# Altium PCB FMC_ADC_130M_16B_4CH.PcbDoc (part 1 of 8) (continued)
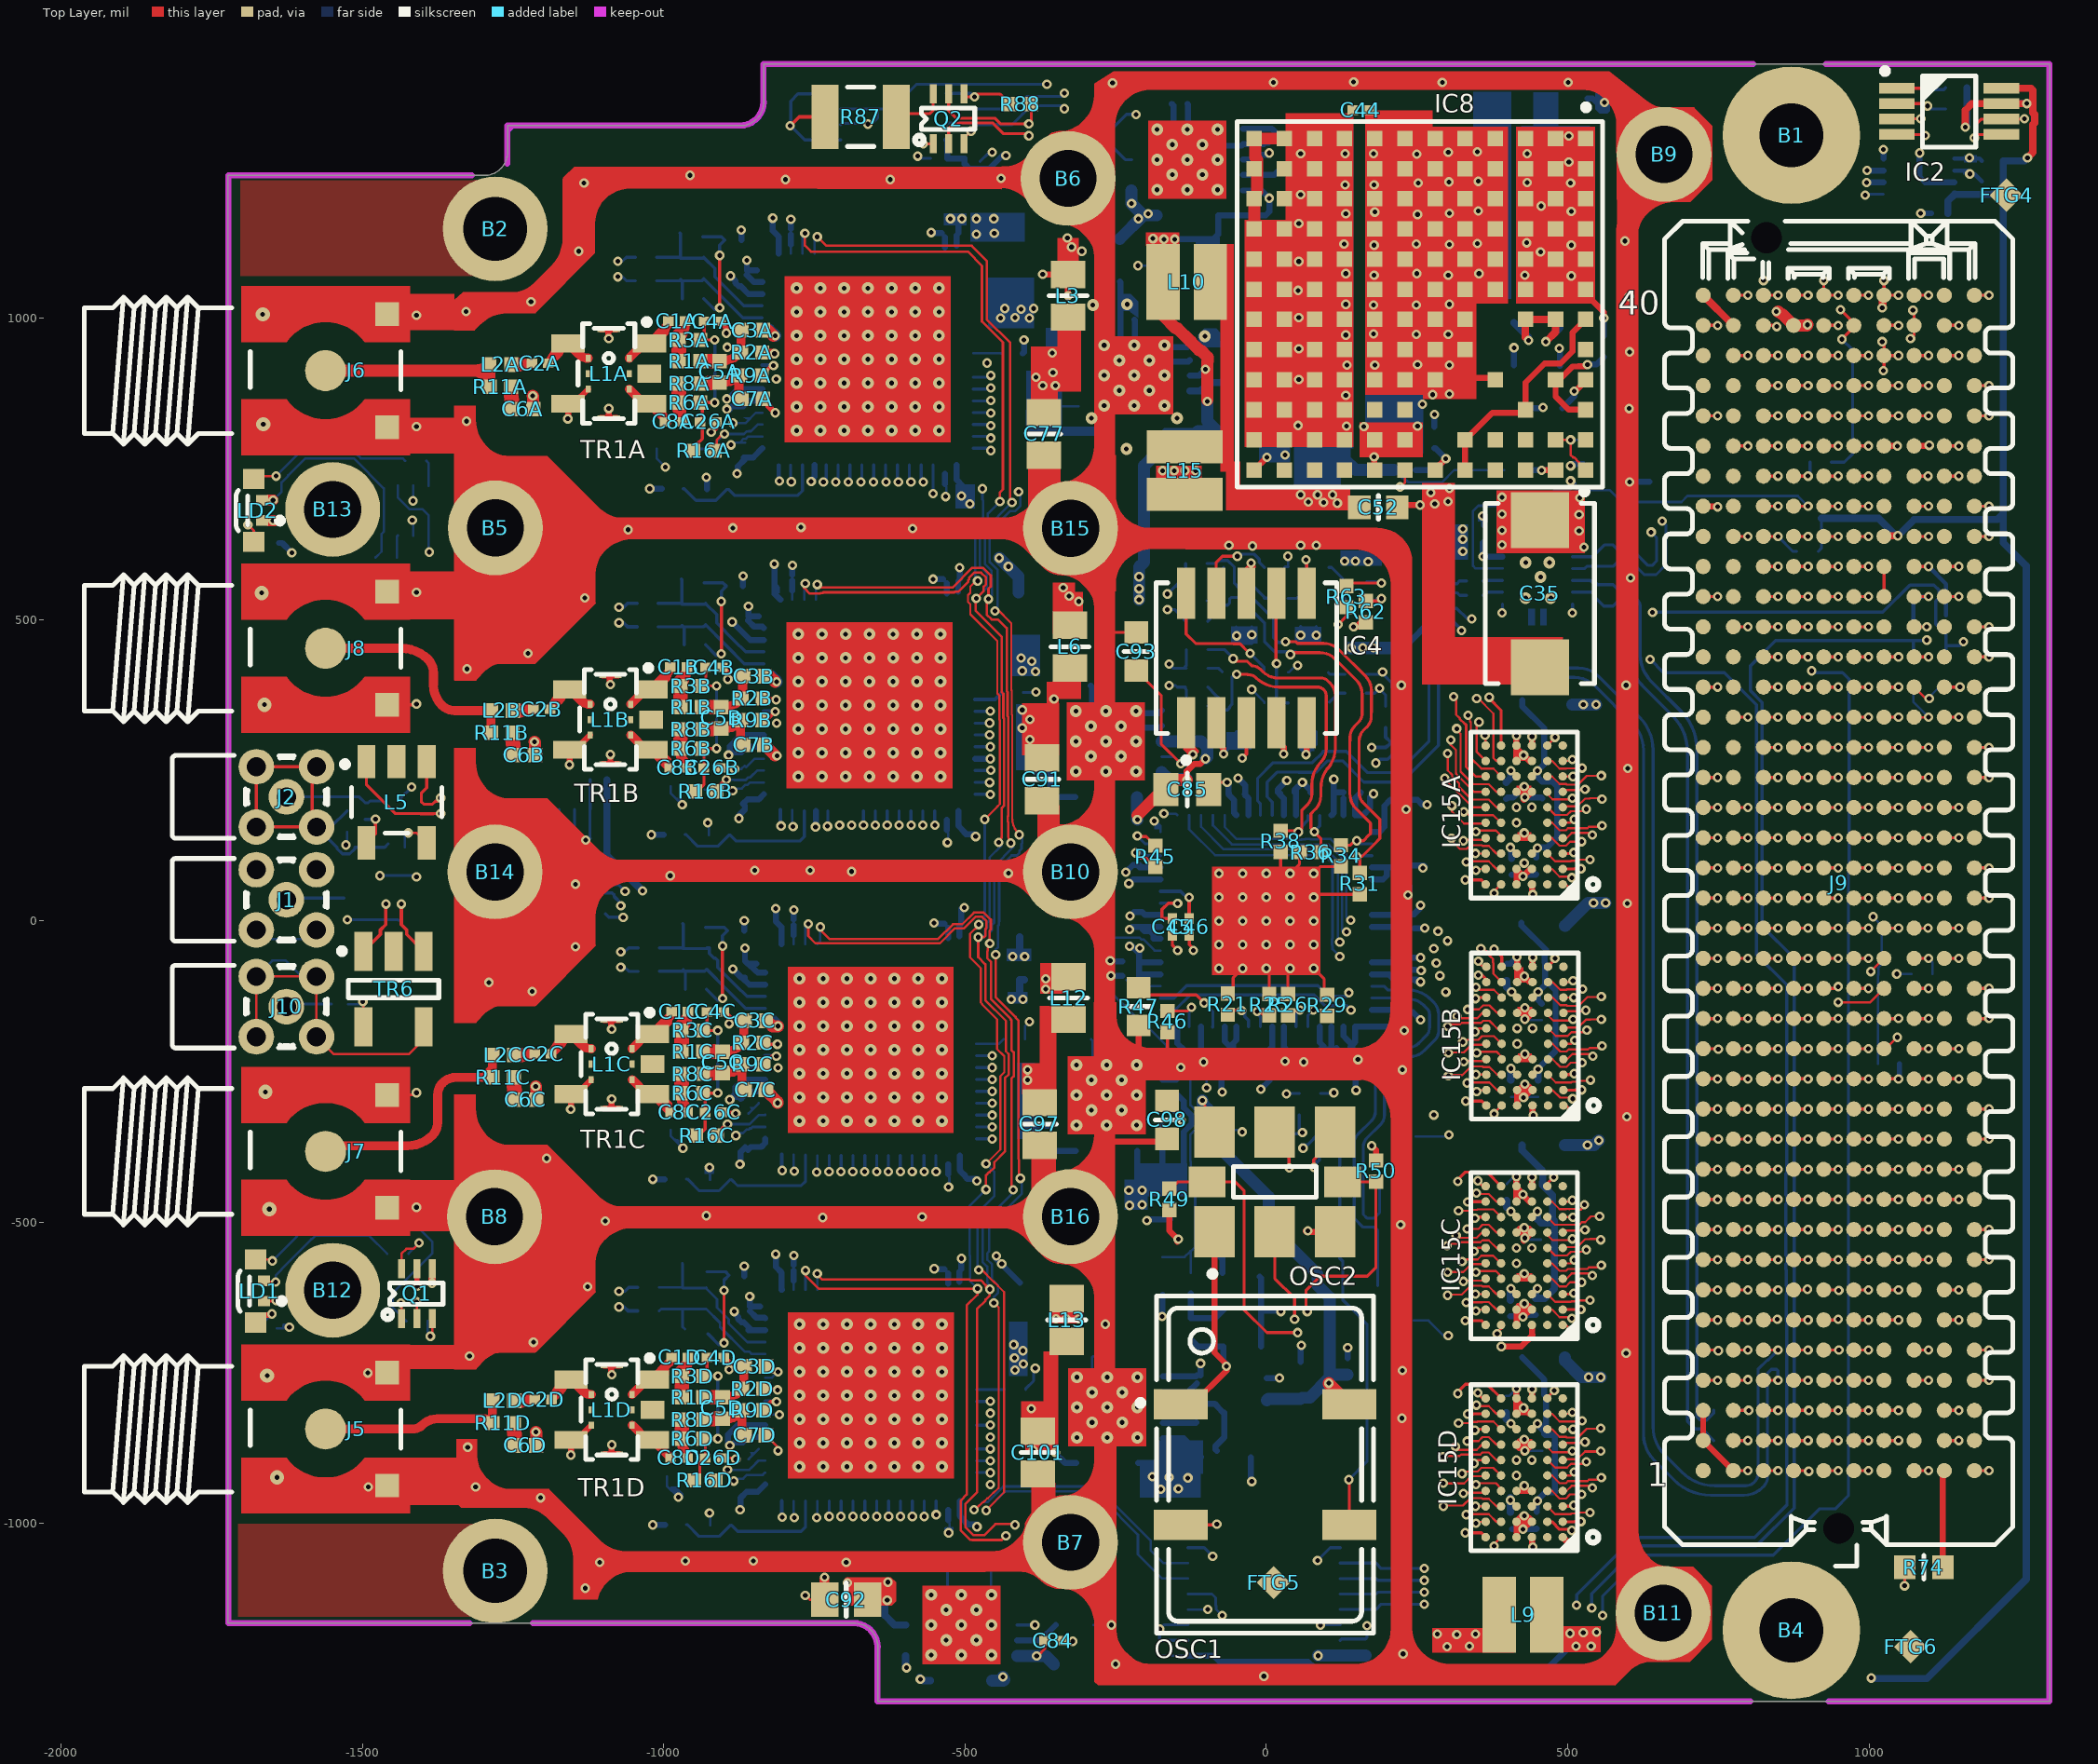
[diagram p0: Top Layer view]
## Components (designator, comment, footprint, x,y, rotation, side; value= is the part's Value field where it differs from the comment)
B1 "Plated Hole" MTG300_600#1 871.18,1303.53 r0 top
B2 "Plated Hole" MTG300_600#2 -1279.41,1148.19 r0 top
B3 "Plated Hole" MTG300_600#3 -1279.41,-1078.19 r0 top
B4 "Plated Hole" MTG300_600#1 871.18,-1176.79 r0 top
B5 "Plated Hole" MTG240_400#1 -1279.31,652.13 r0 top
B6 "Plated Hole" MTG240_400#1 -328.62,1231.85 r0 top locked
B7 "Plated Hole" MTG240_400#1 -324.68,-1030.94 r0 top
B8 "Plated Hole" MTG240_400#2 -1280.39,-486.65 r0 top
B9 "Plated Hole" MTG240_400#2 660.24,1275.67 r0 top
B10 "Plated Hole" MTG240_400#2 -324.68,85.2 r0 top
B11 "Plated Hole" MTG240_400#1 658.24,-1148.33 r0 top
B12 "Plated Hole" MTG240_400#3 -1549.09,-616.57 r0 top
B13 "Plated Hole" MTG240_400#2 -1549.09,686.57 r0 top
B14 "Plated Hole" MTG240_400#2 -1279.58,85.2 r0 top locked
B15 "Plated Hole" MTG240_400#1 -324.68,651.46 r0 top
B16 "Plated Hole" MTG240_400#1 -324.68,-490.54 r0 top
C1A "100nF" CAPC0603X33N -978,995 r0 top (schematic designator C1)
C1B "100nF" CAPC0603X33N -975.28,421 r0 top (schematic designator C1)
C1C "100nF" CAPC0603X33N -973.2,-150.57 r0 top (schematic designator C1)
C1D "100nF" CAPC0603X33N -973.09,-724 r0 top (schematic designator C1)
C2A "100nF" CAPC0603X33N -1205,925 r0 top (schematic designator C2)
C2B "100nF" CAPC0603X33N -1202.28,351 r0 top (schematic designator C2)
C2C "100nF" CAPC0603X33N -1200.2,-220.57 r0 top (schematic designator C2)
C2D "100nF" CAPC0603X33N -1200.09,-794 r0 top (schematic designator C2)
C3A "2.2pF" CAPC1005X55N -853,980 r0 top (schematic designator C3)
C3B "2.2pF" CAPC1005X55N -850.28,406 r0 top (schematic designator C3)
C3C "2.2pF" CAPC1005X55N -848.2,-165.57 r0 top (schematic designator C3)
C3D "2.2pF" CAPC1005X55N -848.09,-739 r0 top (schematic designator C3)
C4A "100nF" CAPC0603X33N -919,994.73 r0 top (schematic designator C4)
C4B "100nF" CAPC0603X33N -916.28,420.73 r0 top (schematic designator C4)
C4C "100nF" CAPC0603X33N -914.2,-150.84 r0 top (schematic designator C4)
C4D "100nF" CAPC0603X33N -914.09,-724.27 r0 top (schematic designator C4)
C5A "1.5pF" CAPC1005X55N -907,911 r90 top (schematic designator C5)
C5B "1.5pF" CAPC1005X55N -904.28,337 r90 top (schematic designator C5)
C5C "1.5pF" CAPC1005X55N -902.2,-234.57 r90 top (schematic designator C5)
C5D "1.5pF" CAPC1005X55N -902.09,-808 r90 top (schematic designator C5)
C6A "2.2pF" CAPC1005X55N -1234,849 r180 top (schematic designator C6)
C6B "2.2pF" CAPC1005X55N -1231.28,275 r180 top (schematic designator C6)
C6C "2.2pF" CAPC1005X55N -1229.2,-296.57 r180 top (schematic designator C6)
C6D "2.2pF" CAPC1005X55N -1229.09,-870 r180 top (schematic designator C6)
C7A "2.2pF" CAPC1005X55N -853,866 r0 top (schematic designator C7)
C7B "2.2pF" CAPC1005X55N -850.28,292 r0 top (schematic designator C7)
C7C "2.2pF" CAPC1005X55N -848,-280 r0 top (schematic designator C7)
C7D "2.2pF" CAPC1005X55N -848.09,-853 r0 top (schematic designator C7)
C8A "100nF" CAPC0603X33N -984,828 r0 top (schematic designator C8)
C8B "100nF" CAPC0603X33N -976.28,254 r0 top (schematic designator C8)
C8C "100nF" CAPC0603X33N -974.2,-317.57 r0 top (schematic designator C8)
C8D "100nF" CAPC0603X33N -974.09,-891 r0 top (schematic designator C8)
C9A "100pF" CAPC1005X55N -1029.19,1062 r0 bottom (schematic designator C9)
C9B "100pF" CAPC1005X55N -1026.47,488 r0 bottom (schematic designator C9)
C9C "100pF" CAPC1005X55N -1024.39,-83.57 r0 bottom (schematic designator C9)
C9D "100pF" CAPC1005X55N -1025.28,-647 r0 bottom (schematic designator C9)
C10 "100nF" CAPC0603X33N 135,-739 r90 bottom
C11A "100pF" CAPC1005X55N -1029.19,1101 r0 bottom (schematic designator C11)
C11B "100pF" CAPC1005X55N -1026.47,527 r0 bottom (schematic designator C11)
C11C "100pF" CAPC1005X55N -1024.39,-44.57 r0 bottom (schematic designator C11)
C11D "100pF" CAPC1005X55N -1025.28,-608 r0 bottom (schematic designator C11)
C12A "2.2uF" CAPC1608X87N -980,783 r0 bottom (schematic designator C12)
C12B "2.2uF" CAPC1608X87N -957,223 r0 bottom (schematic designator C12)
C12C "2.2uF" CAPC1608X87N -957,-347 r0 bottom (schematic designator C12)
C12D "2.2uF" CAPC1608X87N -963,-922 r0 bottom (schematic designator C12)
C13A "1.5pF" CAPC1005X55N -972.19,1082 r270 bottom (schematic designator C13)
C13B "1.5pF" CAPC1005X55N -969.47,508 r270 bottom (schematic designator C13)
C13C "1.5pF" CAPC1005X55N -967.39,-63.57 r270 bottom (schematic designator C13)
C13D "1.5pF" CAPC1005X55N -968.28,-627 r270 bottom (schematic designator C13)
C14A "100nF" CAPC0603X33N -865,780 r270 bottom (schematic designator C14)
C14B "100nF" CAPC0603X33N -865,205 r270 bottom (schematic designator C14)
C14C "100nF" CAPC0603X33N -860,-366 r270 bottom (schematic designator C14)
C14D "100nF" CAPC0603X33N -861,-939 r270 bottom (schematic designator C14)
C15A "100nF" CAPC0603X33N -803,1142 r180 bottom (schematic designator C15)
C15B "100nF" CAPC0603X33N -805,565 r180 bottom (schematic designator C15)
C15C "100nF" CAPC0603X33N -798,1 r180 bottom (schematic designator C15)
C15D "100nF" CAPC0603X33N -798,-575 r180 bottom (schematic designator C15)
C16A "100nF" CAPC0603X33N -863.95,1057 r90 bottom (schematic designator C16)
C16B "100nF" CAPC0603X33N -860,485 r90 bottom (schematic designator C16)
C16C "100nF" CAPC0603X33N -865,-80 r90 bottom (schematic designator C16)
C16D "100nF" CAPC0603X33N -857,-661 r90 bottom (schematic designator C16)
C17A "100nF" CAPC0603X33N -876.87,896.17 r270 bottom (schematic designator C17)
C17B "100nF" CAPC0603X33N -874.16,322.17 r270 bottom (schematic designator C17)
C17C "100nF" CAPC0603X33N -872.08,-249.41 r270 bottom (schematic designator C17)
C17D "100nF" CAPC0603X33N -871.97,-822.83 r270 bottom (schematic designator C17)
C18A "100nF" CAPC0603X33N -868,840 r90 bottom (schematic designator C18)
C18B "100nF" CAPC0603X33N -863,269 r90 bottom (schematic designator C18)
C18C "100nF" CAPC0603X33N -862,-304 r90 bottom (schematic designator C18)
C18D "100nF" CAPC0603X33N -861,-876 r90 bottom (schematic designator C18)
C19A "100nF" CAPC0603X33N -520,724 r0 bottom (schematic designator C19)
C19B "100nF" CAPC0603X33N -514,149 r0 bottom (schematic designator C19)
C19C "100nF" CAPC0603X33N -514,-422 r0 bottom (schematic designator C19)
C19D "100nF" CAPC0603X33N -512,-999 r0 bottom (schematic designator C19)
C20A "100nF" CAPC0603X33N -522,1139 r0 bottom (schematic designator C20)
C20B "100nF" CAPC0603X33N -521,566 r0 bottom (schematic designator C20)
C20C "100nF" CAPC0603X33N -516.08,3.87 r0 bottom (schematic designator C20)
C20D "100nF" CAPC0603X33N -520,-578 r0 bottom (schematic designator C20)
C21A "100nF" CAPC0603X33N 407,90 r90 bottom (schematic designator C21)
C21B "100nF" CAPC0603X33N 406,-278 r90 bottom (schematic designator C21)
C21C "100nF" CAPC0603X33N 405,-643 r90 bottom (schematic designator C21)
C21D "100nF" CAPC0603X33N 405,-997 r90 bottom (schematic designator C21)
C22A "100nF" CAPC0603X33N 395,217 r90 bottom (schematic designator C22)
C22B "100nF" CAPC0603X33N 399,-85 r270 bottom (schematic designator C22)
C22C "100nF" CAPC0603X33N 399,-450 r270 bottom (schematic designator C22)
C22D "100nF" CAPC0603X33N 398,-802 r270 bottom (schematic designator C22)
C23A "100nF" CAPC0603X33N 448,89 r90 bottom (schematic designator C23)
C23B "100nF" CAPC0603X33N 451,-278 r90 bottom (schematic designator C23)
C23C "100nF" CAPC0603X33N 447,-643 r90 bottom (schematic designator C23)
C23D "100nF" CAPC0603X33N 449,-994 r90 bottom (schematic designator C23)
C24A "100nF" CAPC0603X33N 458,217 r90 bottom (schematic designator C24)
C24B "100nF" CAPC0603X33N 460,-150 r90 bottom (schematic designator C24)
C24C "100nF" CAPC0603X33N 458,-513 r90 bottom (schematic designator C24)
C24D "100nF" CAPC0603X33N 458,-865 r90 bottom (schematic designator C24)
C25A "100nF" CAPC0603X33N -884.87,1129.45 r180 bottom (schematic designator C25)
C25B "100nF" CAPC0603X33N -882.16,555.45 r180 bottom (schematic designator C25)
C25C "100nF" CAPC0603X33N -880.08,-16.13 r180 bottom (schematic designator C25)
C25D "100nF" CAPC0603X33N -879.97,-589.55 r180 bottom (schematic designator C25)
C26A "100nF" CAPC0603X33N -926,828 r0 top (schematic designator C26)
C26B "100nF" CAPC0603X33N -919.28,254 r0 top (schematic designator C26)
C26C "100nF" CAPC0603X33N -917.2,-317.57 r0 top (schematic designator C26)
C26D "100nF" CAPC0603X33N -917.09,-891 r0 top (schematic designator C26)
C27 "22uF" CAPC3216X140N 157,997 r0 bottom
C28 "10uF" CAPC2012X135N 430,1373 r180 bottom
C29 "10uF" CAPC2012X135N 487,956 r90 bottom
C30 "330nF" CAPC1608X87N 533,1333 r270 bottom
C31 "100nF" CAPC0603X33N 1117,1174 r180 bottom
C32 "22uF" CAPC3216X140N 157,1087 r0 bottom
C33 "22uF" CAPC3216X140N 157,906 r0 bottom
C34 "22uF" CAPC3216X140N 157,816 r0 bottom
C35 "100uF" CAPMP7343X310N 454,543 r270 top
C36 "10uF" CAPC2012X135N 430,1148 r180 bottom
C37 "100nF" CAPC0603X33N -177,-1206 r270 bottom
C38 "10uF" CAPC2012X135N 430,1298 r0 bottom
C39 "100nF" CAPC0603X33N 165,-1205 r270 bottom
C40 "100nF" CAPC0603X33N -1450,198.19 r180 bottom
C41 "100nF" CAPC0603X33N -1108,234 r180 bottom
C42 "100nF" CAPC0603X33N -1495,182.19 r90 bottom
C43 "100nF" CAPC0603X33N -1443,128 r180 bottom
C44 "100nF" CAPC0603X33N 157,1345 r180 top
C45 "100nF" CAPC0603X33N -155.81,-10 r270 top
C46 "100nF" CAPC0603X33N -127.81,-10 r270 top
C47 "100nF" CAPC0603X33N 346,540 r0 bottom
C48 "100nF" CAPC0603X33N -1537,-138 r180 bottom
C49 "100nF" CAPC0603X33N 346,564 r0 bottom
C50 "100nF" CAPC0603X33N 359,641 r90 bottom
C51 "10uF" CAPC2012X135N 430,1072 r0 bottom
C52 "1uF" CAPC1608X87N 186,686 r0 top
C53 "4.7uF" CAPC1608X87N 57,-763 r270 bottom
C54 "100nF" CAPC0603X33N -76,-347 r0 bottom
C55 "1.2nF" CAPC1608X87N -172,-589 r90 bottom
C56 "1.2nF" CAPC1608X87N -40,-646.28 r180 bottom
C57 "820pF" CAPC1608X87N -40,-706.28 r180 bottom
C58 "27nF" CAPC1608X87N -40,-586.28 r180 bottom
C59 "100nF" CAPC0603X33N -225,-91 r0 bottom
C60 "100nF" CAPC0603X33N -210,79 r90 bottom
C61 "100nF" CAPC0603X33N 225,-97 r180 bottom
C62 "100nF" CAPC0603X33N 232,-12 r180 bottom
C63 "100nF" CAPC0603X33N 219,25 r270 bottom
C64 "100nF" CAPC0603X33N 87,213 r0 bottom
C65 "100nF" CAPC0603X33N 143,213 r180 bottom
C66 "100nF" CAPC0603X33N 225,-61 r180 bottom
C67 "100nF" CAPC0603X33N -49,211 r0 bottom
C68 "100nF" CAPC0603X33N -225,-67 r0 bottom
C69 "100nF" CAPC0603X33N -206,1 r90 bottom
C70 "100nF" CAPC0603X33N 33,213 r180 bottom
C71 "100nF" CAPC0603X33N 187,191 r0 bottom
C72 "100nF" CAPC0603X33N 218,78 r90 bottom
C73 "330nF" CAPC1608X87N 460,851 r180 bottom
C74 "100nF" CAPC0603X33N 1239,1343 r270 bottom
C75 "10uF" CAPC2012X135N -42,806 r180 bottom
C76 "10uF" CAPC2012X135N -147,1087 r0 bottom
C77 "47uF" CAPC2012X140N -369,808 r90 top
C78 "47uF" CAPC2012X140N -253,1096 r90 bottom
C79 "1uF" CAPC1608X87N -66,933 r270 bottom
C80 "1uF" CAPC1608X87N 18,1274 r270 bottom
C81 "22uF" CAPC3216X140N 156,1268 r0 bottom
C82 "22uF" CAPC3216X140N 157,1178 r0 bottom
C84 "100nF" CAPC0603X33N -353.78,-1194 r180 top
C85 "10uF" CAPC2012X135N -131,218 r180 top
C86 "10uF" CAPC2012X135N -317,-1233 r180 bottom
C88 "10uF" CAPC2012X135N 430,1225 r0 bottom
C91 "47uF" CAPC2012X140N -372,235 r90 top
C92 "47uF" CAPC2012X140N -697,-1126 r0 top
C93 "1uF" CAPC1608X87N -216,447 r270 top
C94 "1uF" CAPC1608X87N -318,-1168 r180 bottom
C95 "10uF" CAPC2012X135N -159,-460 r90 bottom
C96 "100pF" CAPC1005X55N 230,748 r180 bottom
C97 "47uF" CAPC2012X140N -376,-337 r90 top
C98 "1uF" CAPC1608X87N -165,-330 r90 top
C99 "10uF" CAPC2012X135N 411,957 r90 bottom
C100 "10uF" CAPC2012X135N -61,-890 r180 bottom
C101 "47uF" CAPC2012X140N -379,-882 r90 top
C102 "1uF" CAPC1608X87N -109,-797 r270 bottom
C103 "100nF" CAPC0603X33N -542.93,1265.1 r180 bottom
C104 "10nF" CAPC0603X33N -486.73,1264.71 r0 bottom
C105 "100nF" CAPC0603X33N 19,-213 r180 bottom
C106 "100nF" CAPC0603X33N 211,-165 r90 bottom
C107 "100nF" CAPC0603X33N -122,-215 r180 bottom
C108 "100nF" CAPC0603X33N -68.9,-215.32 r0 bottom
C109 "100nF" CAPC0603X33N 130,-211 r180 bottom
C110 "100nF" CAPC0603X33N 76,-213 r0 bottom
D1 "BAR66" SOT95P240X110-3N -1485,38 r180 bottom
FTG1 "Use only in PCB" FIDUCIAL_TOP_S100-200 -1605.79,1115.81 r90 bottom
FTG2 "Use only in PCB" FIDUCIAL_TOP_S100-200 1222,-1214 r90 bottom
FTG3 "Use only in PCB" FIDUCIAL_TOP_S100-200 750,1179 r90 bottom
FTG4 "Use only in PCB" FIDUCIAL_TOP_S100-200 1228,1204 r90 top
FTG5 "Use only in PCB" FIDUCIAL_TOP_S100-200 12.09,-1097.64 r90 top
FTG6 "Use only in PCB" FIDUCIAL_TOP_S100-200 1069.21,-1204.19 r90 top
IC1A "LTC2208IUP#PBF" QFN50P900X900X80-65N-S725 -661.2,931.73 r180 bottom (schematic designator IC1)
IC1B "LTC2208IUP#PBF" QFN50P900X900X80-65N-S725 -658.48,357.73 r180 bottom (schematic designator IC1)
IC1C "LTC2208IUP#PBF" QFN50P900X900X80-65N-S725 -656.4,-213.84 r180 bottom locked (schematic designator IC1)
IC1D "LTC2208IUP#PBF" QFN50P900X900X80-65N-S725 -656.29,-787.27 r180 bottom (schematic designator IC1)
IC2 "LM75AIMM/NOPB" SOP65P490X109-8N 1133,1343 r0 top
IC3 "AD9510BCPZ" QFN50P900X900X100-65N-S485 0,0 r180 bottom locked
IC4 "SCA-4-10+" MINI-CIRCUITS_DZ943 -33,436 r90 top locked
IC5 "24AA64T-I/MC" SON50P300X200X100-9N-S175X155 1083,1235 r0 bottom
IC6 "TPS7A4700RGWT" QFN65P500X500X100-21N-S325 -219,905 r180 bottom
IC7 "TPS7A4700RGWT" QFN65P500X500X100-21N-S325 -131,1263 r180 bottom
IC8 "LTM4606EV#PBF-ND" LTM4606 560,1328 r180 top locked
IC9 "TPS7A4700RGWT" QFN65P500X500X100-21N-S325 -266,298 r180 bottom
IC10 "TPS7A4700RGWT" QFN65P500X500X100-21N-S325 -506,-1168 r180 bottom
IC11 "TPS7A4700RGWT" QFN65P500X500X100-21N-S325 -265,-289 r180 bottom
IC12 "TPS7A4700RGWT" QFN65P500X500X100-21N-S325 -264,-807 r180 bottom
IC13 "LM75AIMM/NOPB" SOP65P490X109-8N -1135,98 r90 bottom
IC14 "SN74AVC4T245PW" TSSOP-16 -130,-1219 r0 bottom
IC15A "SN74AVC20T245ZQLR" ZQL56(R-PBGA-N56) 428,175.78 r180 top locked (schematic designator IC15)
IC15B "SN74AVC20T245ZQLR" ZQL56(R-PBGA-N56) 429.02,-191.06 r180 top (schematic designator IC15)
IC15C "SN74AVC20T245ZQLR" ZQL56(R-PBGA-N56) 428,-555.22 r180 top locked (schematic designator IC15)
IC15D "SN74AVC20T245ZQLR" ZQL56(R-PBGA-N56) 428,-907.22 r180 top locked (schematic designator IC15)
IC16 "TS3USB221DRCR" DRC10-2400X1650TP 450,565 r180 bottom
IC17 "SN65LVDM176DGK" "MSOP8 TI/AD" -618.52,1334.09 r90 bottom
J1 "Coax_1Female_1Shield" "HUBER-SUHNER_85_MMCX-50-0-1/111 OH" -1625.87,35 r180 top
J2 "Coax_1Female_1Shield" "HUBER-SUHNER_85_MMCX-50-0-1/111 OH" -1625.75,205.81 r180 top
J3 "U.FL" HIROSE_U.FL-R-SMT-1(10) 245,-605 r90 bottom
J4 "U.FL" HIROSE_U.FL-R-SMT-1(10) 248,-416 r90 bottom
J5 "Coax_1Female_1Shield" JOHNSON_142-0711-301 -1560.91,-842.95 r180 top
J6 "Coax_1Female_1Shield" JOHNSON_142-0711-301 -1560.91,912.95 r180 top
J7 "Coax_1Female_1Shield" JOHNSON_142-0711-301 -1560.91,-382.32 r180 top
J8 "Coax_1Female_1Shield" JOHNSON_142-0711-301 -1560.91,452.32 r180 top
J9 "VITA 57" SAMTEC_ASP-134488-01 949.92,63.01 r270 top locked
J10 "Coax_1Female_1Shield" "HUBER-SUHNER_85_MMCX-50-0-1/111 OH" -1625.87,-142.17 r180 top
L1A "MABA-007159" "XFMR_MA-COM_SM-22 (H260)"#1 -1091,908 r270 top (schematic designator L1)
L1B "MABA-007159" "XFMR_MA-COM_SM-22 (H260)"#1 -1088.28,334 r270 top (schematic designator L1)
L1C "MABA-007159" "XFMR_MA-COM_SM-22 (H260)"#1 -1086.2,-237.57 r270 top (schematic designator L1)
L1D "MABA-007159" "XFMR_MA-COM_SM-22 (H260)"#1 -1086.09,-811 r270 top (schematic designator L1)
L2A "0R" INDC1005X55N -1271,923 r0 top (schematic designator L2)
L2B "0R" INDC1005X55N -1268.28,349 r0 top (schematic designator L2)
L2C "0R" INDC1005X55N -1266.2,-222.57 r0 top (schematic designator L2)
L2D "0R" INDC1005X55N -1266.09,-796 r0 top (schematic designator L2)
L3 "220R@100MHz" INDC2012X105N -329,1037 r90 top
L4A "220R@100MHz" INDC2012X105N -413.87,1083.45 r90 bottom (schematic designator L4)
L4B "220R@100MHz" INDC2012X105N -411.16,509.45 r90 bottom (schematic designator L4)
L4C "220R@100MHz" INDC2012X105N -409.08,-62.13 r90 bottom (schematic designator L4)
L4D "220R@100MHz" INDC2012X105N -408.97,-635.55 r90 bottom (schematic designator L4)
L5 "MABA-007159-000000" "XFMR_MA-COM_SM-22 (H260)"#2 -1443,197 r0 top
L6 "220R@100MHz" INDC2012X105N -326,455 r90 top
L7 "220R@100MHz" INDC2012X105N 242,613 r0 bottom
L8 "220R@100MHz" INDC1005X55N 1,-777 r270 bottom
L9 "ELLVGG2R2N" L_ELLVGG2R2N 426,-1151 r180 top
L10 "ELLVGG2R2N" L_ELLVGG2R2N -132,1060 r180 top
L12 "220R@100MHz" INDC2012X105N -328,-128 r90 top
L13 "220R@100MHz" INDC2012X105N -331,-662 r90 top
L14A "220R@100MHz" INDC2012X105N 460,366 r0 bottom (schematic designator L14)
L14B "220R@100MHz" INDC2012X105N 459,-3 r0 bottom (schematic designator L14)
L14C "220R@100MHz" INDC2012X105N 460,-365 r0 bottom (schematic designator L14)
L14D "220R@100MHz" INDC2012X105N 460,-720 r0 bottom (schematic designator L14)
L15 "ELLVGG2R2N" L_ELLVGG2R2N -135,747 r270 top
LD1 "Blue/Red/Green" LED_AVAGO_HSMF-C113 -1677,-614 r90 top
LD2 "Blue/Red/Green" LED_AVAGO_HSMF-C113 -1680,681 r90 top
OSC1 "125MHz" OSC_CRYSTEK_CVHD-950 -2,-902 r0 top
OSC2 "100MHz" OSC_SILICON-LAB_SI570 14,-433 r90 top locked
Q1 "PMGD280UN" SOT-363 -1435,-577 r0 top
Q2 "PMGD280UN" SOT-363 -552.73,1371.91 r0 top
Q5 "PMGD280UN" SOT-363 -1390,722 r180 bottom
R1A "10" RESC1005X40N -957,928.82 r0 top (schematic designator R1)
R1B "10" RESC1005X40N -954.29,354.82 r0 top (schematic designator R1)
R1C "10" RESC1005X40N -952.21,-216.75 r0 top (schematic designator R1)
R1D "10" RESC1005X40N -952.1,-790.18 r0 top (schematic designator R1)
R2A "5R6" RESC1005X40N -854,943 r0 top (schematic designator R2)
R2B "5R6" RESC1005X40N -853,369 r0 top (schematic designator R2)
R2C "5R6" RESC1005X40N -852,-202 r0 top (schematic designator R2)
R2D "5R6" RESC1005X40N -852,-776 r0 top (schematic designator R2)
R3A "24" RESC1005X40N -957,963.82 r180 top (schematic designator R3)
R3B "24" RESC1005X40N -954.29,389.82 r180 top (schematic designator R3)
R3C "24" RESC1005X40N -952.21,-181.75 r180 top (schematic designator R3)
R3D "24" RESC1005X40N -952.1,-755.18 r180 top (schematic designator R3)
R4 "10k" RESC1005X40N 1145,1382 r0 bottom
R5 "10k" RESC1005X40N 898,613 r0 bottom
R6A "24" RESC1005X40N -957,859.82 r0 top (schematic designator R6)
R6B "24" RESC1005X40N -954.29,285.82 r0 top (schematic designator R6)
R6C "24" RESC1005X40N -952.21,-285.75 r0 top (schematic designator R6)
R6D "24" RESC1005X40N -952.1,-859.18 r0 top (schematic designator R6)
R7 "47" RESC1005X40N 1088,-88 r180 bottom
R8A "10" RESC1005X40N -957,891.82 r0 top (schematic designator R8)
R8B "10" RESC1005X40N -954.29,317.82 r0 top (schematic designator R8)
R8C "10" RESC1005X40N -952.21,-253.75 r0 top (schematic designator R8)
R8D "10" RESC1005X40N -952.1,-827.18 r0 top (schematic designator R8)
R9A "5R6" RESC1005X40N -855,905 r0 top (schematic designator R9)
R9B "5R6" RESC1005X40N -854,333 r0 top (schematic designator R9)
R9C "5R6" RESC1005X40N -852,-238 r0 top (schematic designator R9)
R9D "5R6" RESC1005X40N -852,-812 r0 top (schematic designator R9)
R10A "10k" RESC1005X40N -421.87,941.45 r180 bottom (schematic designator R10)
R10B "10k" RESC1005X40N -421,379 r180 bottom (schematic designator R10)
R10C "10k" RESC1005X40N -418,-196 r180 bottom (schematic designator R10)
R10D "10k" RESC1005X40N -416.97,-777.55 r180 bottom (schematic designator R10)
R11A "51" RESC1005X40N -1271,886 r180 top (schematic designator R11)
R11B "51" RESC1005X40N -1268.28,312 r180 top (schematic designator R11)
R11C "51" RESC1005X40N -1266.2,-259.57 r180 top (schematic designator R11)
R11D "51" RESC1005X40N -1266.09,-833 r180 top (schematic designator R11)
R12 "200" RESC1005X40N -1659.28,-676 r180 bottom
R13A "1k" RESC1005X40N -985,717 r0 bottom (schematic designator R13)
R13B "1k" RESC1005X40N -982.28,143 r0 bottom (schematic designator R13)
R13C "1k" RESC1005X40N -980.2,-428.57 r0 bottom (schematic designator R13)
R13D "1k" RESC1005X40N -980.09,-1002 r0 bottom (schematic designator R13)
R14A "2k" RESC1005X40N -910,716 r180 bottom (schematic designator R14)
R14B "2k" RESC1005X40N -907.28,142 r180 bottom (schematic designator R14)
R14C "2k" RESC1005X40N -905.2,-429.57 r180 bottom (schematic designator R14)
R14D "2k" RESC1005X40N -905.09,-1003 r180 bottom (schematic designator R14)
R15A "100" RESC1005X40N -933.19,1083 r90 bottom (schematic designator R15)
R15B "100" RESC1005X40N -930.47,509 r90 bottom (schematic designator R15)
R15C "100" RESC1005X40N -928.39,-62.57 r90 bottom (schematic designator R15)
R15D "100" RESC1005X40N -929.28,-626 r90 bottom (schematic designator R15)
R16A "100" RESC1005X40N -933,780 r0 top (schematic designator R16)
R16B "100" RESC1005X40N -930,215 r0 top (schematic designator R16)
R16C "100" RESC1005X40N -929,-356 r0 top (schematic designator R16)
R16D "100" RESC1005X40N -932,-928 r0 top (schematic designator R16)
R17A "51" RESC1005X40N -951,1032 r180 bottom (schematic designator R17)
R17B "51" RESC1005X40N -948.28,458 r180 bottom (schematic designator R17)
R17C "51" RESC1005X40N -946.2,-113.57 r180 bottom (schematic designator R17)
R17D "51" RESC1005X40N -947.09,-677 r180 bottom (schematic designator R17)
R18A "51" RESC1005X40N -953,1135 r180 bottom (schematic designator R18)
R18B "51" RESC1005X40N -952.47,567 r180 bottom (schematic designator R18)
R18C "51" RESC1005X40N -950.39,-4.57 r180 bottom (schematic designator R18)
R18D "51" RESC1005X40N -948,-576 r180 bottom (schematic designator R18)
R19 "47" RESC1005X40N 1033,-237 r180 bottom
R20 "49R9" RESC1005X40N 561,606 r270 bottom
R21 "200" RESC1005X40N -64,-138 r90 top
R22 "100" RESC1005X40N 560,540 r270 bottom
R23 "0" RESC1005X40N 760.21,-861.99 r0 bottom
R24 "0" RESC1005X40N -1525,164.98 r90 bottom
R25 "200" RESC1005X40N 5,-139 r90 top
R26 "200" RESC1005X40N 36,-139 r90 top
R27 "0" RESC1005X40N 760.21,-811.99 r0 bottom
R28 "1k" RESC1005X40N -1656,627 r180 bottom
R29 "200" RESC1005X40N 100.91,-140 r90 top
R30 "200" RESC1005X40N 90,-304 r90 bottom
R31 "200" RESC1005X40N 155,62 r270 top
R32 "10k" RESC1005X40N 1145,1347 r0 bottom
R33 "0" RESC1005X40N -115,419 r180 bottom
R34 "200" RESC1005X40N 124,108 r270 top
R35 "0" RESC1005X40N 1125,416 r270 bottom
R36 "200" RESC1005X40N 73,114 r180 top
R37 "0" RESC1005X40N 1074,412 r270 bottom
R38 "200" RESC1005X40N 24,132 r270 top
R39 "0" RESC1005X40N 1128,489 r90 bottom
R40 "0" RESC1005X40N -1627,-48 r270 bottom
R41 "0" RESC1005X40N -115,388 r180 bottom
R42 "0" RESC1005X40N 1073,483 r90 bottom
R43 "10k" RESC1005X40N 1205,1261 r0 bottom
R44 "10k" RESC1005X40N 1205,1227 r0 bottom
R45 "49R9" RESC1005X40N -184,107 r90 top
R46 "5k1" RESC1005X40N -164,-167 r90 top
R47 "4k12" RESC1608X55N -212,-142 r90 top
R48 "10k" RESC1005X40N 636,711 r270 bottom
R49 "2k2" RESC1005X40N -161,-462 r270 top
R50 "2k2" RESC1005X40N 182,-415 r90 top
R51 "200" RESC1005X40N 122,-372 r90 bottom
R52 "200" RESC1005X40N 55,-304 r90 bottom
R53 "1" RESC1005X40N -125,-601.28 r270 bottom
R54 "30k" RESC1005X40N -125,-676.28 r270 bottom
R55 "16k" RESC1005X40N -105,-546 r180 bottom
R56 "0" RESC1005X40N -116,562 r180 bottom
R57 "0" RESC1005X40N -116,531 r180 bottom
R58 "0" RESC1005X40N 148,378 r0 bottom
R59 "0" RESC1005X40N 148,409 r0 bottom
R60 "0" RESC1005X40N 149,532 r0 bottom
R61 "0" RESC1005X40N 149,563 r0 bottom
R62 "0" RESC1005X40N 165,513 r90 top
R63 "0" RESC1005X40N 133,538 r90 top
R64 "200" RESC1005X40N -1409,-664 r180 bottom
R65 "200" RESC1005X40N -1441,-552 r180 bottom
R66 "0" RESC1005X40N 198,338 r90 bottom
R67 "0" RESC1005X40N 230,338 r90 bottom
R68 "0" RESC1005X40N -116,593 r180 bottom
R69 "0" RESC1005X40N -115,497 r180 bottom
R70 "0" RESC1005X40N -115,450 r180 bottom
R71 "0" RESC1005X40N -115,357 r180 bottom
R72 "0" RESC1005X40N 88,-371 r90 bottom
R73 "0" RESC1005X40N 38,-371 r90 bottom
R74 "4k7" RESC1608X55N 1091,-1072 r0 top
R75 "100" RESC1005X40N -445.68,1334.23 r90 bottom
R78 "100k" RESC1005X40N 920,761 r180 bottom
R79 "100k" RESC1005X40N 560,953 r270 bottom
R80 "10k" RESC1005X40N 279,802 r90 bottom
R81 "150k" RESC1005X40N 412,748 r0 bottom
R82 "150k" RESC1005X40N 480,730 r90 bottom
R83 "390k" RESC1005X40N 526,776 r270 bottom
R84 "200" RESC1005X40N -1460,603 r180 bottom
R85 "200" RESC1005X40N -1411.1,763.15 r180 bottom
R87 "49R9" RESC3225X70N -673,1334 r180 top
R88 "4k7" RESC1005X40N -407.68,1355.03 r0 top
TR1A "BD0205F5050A00" XFMR_ANAREN_BD0205F5050A00 -1091,908 r270 top (schematic designator TR1)
TR1B "BD0205F5050A00" XFMR_ANAREN_BD0205F5050A00 -1088.28,334 r270 top (schematic designator TR1)
TR1C "BD0205F5050A00" XFMR_ANAREN_BD0205F5050A00 -1086.2,-237.58 r270 top (schematic designator TR1)
TR1D "BD0205F5050A00" XFMR_ANAREN_BD0205F5050A00 -1086.09,-811 r270 top (schematic designator TR1)
TR2 "BD0205F5050A00" XFMR_ANAREN_BD0205F5050A00 70,562 r90 bottom
TR3 "BD0205F5050A00" XFMR_ANAREN_BD0205F5050A00 -37,387 r270 bottom
TR4 "BD0205F5050A00" XFMR_ANAREN_BD0205F5050A00 -37,561 r270 bottom
TR5 "BD0205F5050A00" XFMR_ANAREN_BD0205F5050A00 70,387 r90 bottom
TR6 "1:1" XFMR_MINI-CIRCUITS_AT224-1 -1448,-113 r0 top

## Footprints (in the part's own frame and the unit in brackets; to place one, negate y for a bottom-side part, rotate by r counter-clockwise, add the part's x,y. Pads: shape width x height; smd on the part's side, far side on the other; paste and mask are expansions set on the pad)
CAPC0603X33N [mm] "Chip Capacitor, Body 0.6x0.30mm, IPC Medium Density"
  rect 0.45x0.4 smd: 1(-0.35,0) 2(0.35,0)
  body extent -0.31,-0.16 0.32,0.17, height 0.33
CAPC1005X55N [mm] "Chip Capacitor, Body 1.0x0.55mm, IPC Medium Density"
  rect 0.62x0.62 smd: 1(-0.45,0) 2(0.45,0)
  body extent -0.52,-0.27 0.53,0.28, height 0.55
CAPC1608X87N [mm] "Chip Capacitor, Body 1.6x0.8mm IPC Medium Density"
  rect 0.95x1 smd: 1(-0.8,0) 2(0.8,0)
  silkscreen extent 0,-0.5 0,0.5, body extent -0.87,-0.47 0.88,0.48, height 0.87
CAPC2012X135N [mm] "Chip Capacitor, Body 2.0x1.25mm, IPC Medium Density"
  rect 1.05x1.4 smd: 1(-0.9,0) 2(0.9,0)
  silkscreen extent 0,-0.7 0,0.7, body extent -1.05,-0.67 1.05,0.68, height 1.25
CAPC2012X140N [mm] "Chip Capacitor, Body 2.0x1.25mm, IPC Medium Density"
  rect 1.15x1.45 smd: 1(-0.9,0) 2(0.9,0)
  silkscreen extent 0,-0.7 0,0.7, body extent -1.05,-0.67 1.05,0.68, height 1.3
CAPC3216X140N [mm] "Chip Capacitor, Body 3.2x1.6mm, IPC Medium Density"
  rect 1.15x1.8 smd: 1(-1.5,0) 2(1.5,0)
  silkscreen extent -0.5,-0.9 0.5,0.9, body extent -1.7,-0.9 1.7,0.9, height 1.4
CAPMP7343X310N [mm] "Capacitor, Polarized, Molded  Body 7.3x4.3mm, IPC Medium Density"
  rect 2.35x2.45 smd: 1(-3.1,0) 2(3.1,0)
  silkscreen extent -4.42,-2.3 3.8,2.3, body extent -3.8,-2.3 3.8,2.3, height 3.1
DRC10-2400X1650TP [mm] "SON, 10-Leads, Body 3x3mm, Pitch 0.5mm, Thermal Pad 2.4x1.65mm, TI Recommended"
  oval 0.85x0.28 smd paste-0.025 mask+0.07: 1(-1.475,1) 2(-1.475,0.5) 3(-1.475,0) 4(-1.475,-0.5) 5(-1.475,-1) 6(1.475,-1) 7(1.475,-0.5) 8(1.475,0) 9(1.475,0.5) 10(1.475,1)
  rect 1.65x2.4 smd paste-0.825 mask+0.07: 11(0,0)
  Top Layer region: -0.39,1.9 -0.11,1.9 -0.11,1.2 -0.39,1.2
  Top Layer region: 0.39,1.2 0.11,1.2 0.11,1.9 0.39,1.9
  Top Layer region: 0.39,-1.9 0.11,-1.9 0.11,-1.2 0.39,-1.2
  Top Layer region: -0.39,-1.2 -0.11,-1.2 -0.11,-1.9 -0.39,-1.9
  silkscreen extent -2.15,-1.7 1.7,1.7, body extent -1.55,-1.55 1.55,1.55, height 1
FIDUCIAL_TOP_S100-200 [mm] "Square Fiducial Target, Top Layer, 1.0mm, Top Solder 2.0mm, Keepout =2.0mm"
  rect 1x1 smd rot 45 paste-0.51 mask+0.5: 1(0,0)
  Top Layer pour cut-out: 1.414,0 0,-1.414 -1.414,0 0,1.414
HIROSE_U.FL-R-SMT-1(10) [mm] "Up to 6GHz Ultra Small Surface Mount Male Coaxial Connectors U.FL Series"
  rect 1x1.05 smd: 1(0,-1.525)
  rect 1.05x2.2 smd: 2(-1.475,0) 2(1.475,0)
  silkscreen extent -1,-1.3 1,1.55, body extent -1.5,-1.55 1.5,1.55, height 1.25
"HUBER-SUHNER_85_MMCX-50-0-1/111 OH" [mm] "MMCX 50 Ohm Right Angle PCB Jack"
  round 1.5 hole 0.8: 1(0,0) 2(-1.27,1.27) 2(-1.27,-1.27) 2(1.27,1.27) 2(1.27,-1.27)
  silkscreen extent -1.73,-1.74 4.82,1.74, body extent -1.73,-1.74 4.82,1.74, height 3.8
INDC1005X55N [mm] "Chip Inductor, 2-Leads, EIA 0402, Metric 1005, Body 1x0.5mm, 0402IPC Medium Density"
  rect 0.6x0.62 smd: 1(-0.46,0) 2(0.46,0)
  body extent -0.52,-0.27 0.53,0.28, height 0.55
INDC2012X105N [mm] "Chip Inductor, EIA 0805, Metric 2012, Body 2.0x1.25mm, IPC Medium Density"
  rect 1.15x1.45 smd: 1(-0.9,0) 2(0.9,0)
  silkscreen extent 0,-0.8 0,0.8, body extent -1.1,-0.7 1.1,0.7, height 1.1
JOHNSON_142-0711-301 [mm] "SMA 50 Ohm Right Angle Jack Receptacle - Surface Mount"
  round 1.73 smd: 1(0,0)
  rect 1x1 smd: 2(-2.6,2.38) 2(-2.6,-2.38)
  Top Layer region: 3.555,1.205 3.555,3.555 -3.555,3.555 -3.555,1.205 -1.652,1.205 -0.927,1.823 0,2.045 0.927,1.823 1.652,1.205 1.652,1.205
  Top Layer region: 3.555,-3.555 3.555,-1.205 1.652,-1.205 0.927,-1.823 0,-2.045 -0.927,-1.823 -1.652,-1.205 -1.652,-1.205 -3.555,-1.205 -3.555,-3.555
  silkscreen extent -3.17,-3.1 10.17,3.1, body extent -3.17,-3.17 10.17,3.18, height 8.26
L_ELLVGG2R2N [mm]
  rect 1.4x3.2 smd: 1(-1,0) 2(1,0)
  body extent -1.5,-1.5 1.5,1.5, height 1.5
LED_AVAGO_HSMF-C113 [mm] "Right Angle Tricolor Surface Mount ChipLED, Body 2.5x1mm"
  rect 0.85x0.9 smd: 1(-1.325,0) 4(1.325,0)
  rect 0.45x0.5 smd: 2(-0.425,-0.35) 3(0.425,-0.35)
  silkscreen extent -0.85,-1.23 0.85,0.75, body extent -1.25,-0.25 1.25,0.75, height 1
LTM4606 [mil]
  rect 25.59x25.59 smd: A1(30,30) A2(30,80) A3(30,130) A4(30,180) A5(30,230) A6(30,280) A7(30,330) A8(30,380) A9(30,430) A10(30,480) A11(30,530) A12(30,580) B1(80,30) B2(80,80) B3(80,130) B4(80,180) B5(80,230) B6(80,280) B7(80,330) B9(80,430) B11(80,530) B12(80,580) C1(130,30) C2(130,80) C3(130,130) C4(130,180) C5(130,230) C6(130,280) C7(130,330) C10(130,480) C11(130,530) C12(130,580) D1(180,30) D2(180,80) D3(180,130) D4(180,180) D5(180,230) D6(180,280) D9(180,430) D11(180,530) D12(180,580) E1(230,30) E2(230,80) E3(230,130) E4(230,180) E5(230,230) E6(230,280) E7(230,330) E8(230,380) E11(230,530) E12(230,580) F1(280,30) F2(280,80) F3(280,130) F4(280,180) F5(280,230) F6(280,280) F7(280,330) F8(280,380) F9(280,430) F12(280,580) G1(330,30) G2(330,80) G3(330,130) G4(330,180) G5(330,230) G6(330,280) G7(330,330) G8(330,380) G9(330,430) G10(330,480) G11(330,530) G12(330,580) H1(380,30) H2(380,80) H3(380,130) H4(380,180) H5(380,230) H6(380,280) H7(380,330) H8(380,380) H9(380,430) H10(380,480) H11(380,530) H12(380,580) J1(430,30) J2(430,80) J3(430,130) J4(430,180) J5(430,230) J6(430,280) J7(430,330) J8(430,380) J9(430,430) J10(430,480) J11(430,530) J12(430,580) K1(480,30) K2(480,80) K3(480,130) K4(480,180) K5(480,230) K6(480,280) K7(480,330) K8(480,380) K9(480,430) K10(480,480) K11(480,530) K12(480,580) L1(530,30) L2(530,80) L3(530,130) L4(530,180) L5(530,230) L6(530,280) L7(530,330) L8(530,380) L9(530,430) L10(530,480) L11(530,530) L12(530,580) M1(580,30) M2(580,80) M3(580,130) M4(580,180) M5(580,230) M6(580,280) M7(580,330) M8(580,380) M9(580,430) M10(580,480) M11(580,530) M12(580,580)
  silkscreen extent 2,-27 608,608, body extent 10,10 600,600, height 110
MINI-CIRCUITS_DZ943 [mm] "MINI-CIRCUITS TDZ943 Case, 10 pin,  7.62mm W X 6.35mm L"
  rect 2.16x0.76 smd: 1(-2.73,2.54) 2(-2.73,1.27) 3(-2.73,0) 4(-2.73,-1.27) 5(-2.73,-2.54) 6(2.73,-2.54) 7(2.73,-1.27) 8(2.73,0) 9(2.73,1.27) 10(2.73,2.54)
  silkscreen extent -4.42,-3.81 3.18,3.81, body extent -3.38,-3.81 3.38,3.81, height 4.83
"MSOP8 TI/AD" [mm] "JEDEC MO-187AA Body Width 3 mm; Pitch 0.65 mm"
  rect 0.35x1.2 smd mask+0.15: 1(-0.975,-2.23) 2(-0.325,-2.23) 3(0.325,-2.23) 4(0.975,-2.23) 5(0.975,2.23) 6(0.325,2.23) 7(-0.325,2.23) 8(-0.975,2.23)
  silkscreen extent -1.85,-2.2 1.4,1.4, body extent -1.58,-2.15 1.57,2.15, height 1.1
MTG240_400#1 [mm] "Plated Through Hole: Hole Dia.=2.4mm Pad Dia.=4.0mm"
  round 4 / inner round 3 / far side round 4 hole 2.4: 1(0,0)
MTG240_400#2 [mm] "Plated Through Hole: Hole Dia.=2.4mm Pad Dia.=4.0mm"
  round 4 / inner round 3 / far side round 4 hole 2.4: 1(0,-0.1)
MTG240_400#3 [mm] "Plated Through Hole: Hole Dia.=2.4mm Pad Dia.=4.0mm"
  round 4 / inner round 3 / far side round 4 hole 2.4: 1(0,0.1)
MTG300_600#1 [mm] "Plated Through Hole: Hole Dia.=3.0mm Pad Dia.=6.0mm"
  round 5.8 / inner round 3 / far side round 5.8 hole 2.7: 1(0,0)
MTG300_600#2 [mm] "Plated Through Hole: Hole Dia.=3.0mm Pad Dia.=6.0mm"
  round 4.4 / inner round 3 / far side round 4.4 hole 2.7: 1(0,0)
MTG300_600#3 [mm] "Plated Through Hole: Hole Dia.=3.0mm Pad Dia.=6.0mm"
  round 4.4 hole 2.7: 1(0,0)
OSC_CRYSTEK_CVHD-950 [mm] "Oscillator, 5.08mm Pitch; 4 Pin, 14.2mm L X 9.14mm W X 5.3mm H, CVHD-950 Serie"
  rect 2.28x1.27 smd: 1(-3.555,2.54) 2(-3.555,-2.54) 3(3.555,-2.54) 4(3.555,2.54)
  silkscreen extent -5.37,-7.1 4.57,7.1, body extent -4.57,-7.1 4.57,7.1, height 5.3
OSC_SILICON-LAB_SI570 [mm] "Oscillator Si570 Serie, 8 pins, 5x7mm"
  rect 2.15x1.7 smd: 1(-2.1,2.54) 2(-2.1,0) 3(-2.1,-2.54) 4(2.1,-2.54) 5(2.1,0) 6(2.1,2.54)
  rect 1.3x1.545 smd: 7(0,2.853) 8(0,-2.853)
  silkscreen extent -4,-1.75 0.65,2.75, body extent -2.5,-3.5 2.5,3.5, height 1.85
QFN50P900X900X80-65N-S725 [mm] "QFN, 0.50mm Pitch, Square; 64 Pin, 9.00mm L X 9.00mm W X 0.80mm H body (7.25mm X 7.25mm Thermal Tab), IPC Medium Density"
  oval 0.85x0.3 smd mask+0.05: 1(4.45,-3.75) 2(4.45,-3.25) 3(4.45,-2.75) 4(4.45,-2.25) 5(4.45,-1.75) 6(4.45,-1.25) 7(4.45,-0.75) 8(4.45,-0.25) 9(4.45,0.25) 10(4.45,0.75) 11(4.45,1.25) 12(4.45,1.75) 13(4.45,2.25) 14(4.45,2.75) 15(4.45,3.25) 16(4.45,3.75) 33(-4.45,3.75) 34(-4.45,3.25) 35(-4.45,2.75) 36(-4.45,2.25) 37(-4.45,1.75) 38(-4.45,1.25) 39(-4.45,0.75) 40(-4.45,0.25) 41(-4.45,-0.25) 42(-4.45,-0.75) 43(-4.45,-1.25) 44(-4.45,-1.75) 45(-4.45,-2.25) 46(-4.45,-2.75) 47(-4.45,-3.25) 48(-4.45,-3.75)
  oval 0.3x0.85 smd mask+0.05: 17(3.75,4.45) 18(3.25,4.45) 19(2.75,4.45) 20(2.25,4.45) 21(1.75,4.45) 22(1.25,4.45) 23(0.75,4.45) 24(0.25,4.45) 25(-0.25,4.45) 26(-0.75,4.45) 27(-1.25,4.45) 28(-1.75,4.45) 29(-2.25,4.45) 30(-2.75,4.45) 31(-3.25,4.45) 32(-3.75,4.45) 49(-3.75,-4.45) 50(-3.25,-4.45) 51(-2.75,-4.45) 52(-2.25,-4.45) 53(-1.75,-4.45) 54(-1.25,-4.45) 55(-0.75,-4.45) 56(-0.25,-4.45) 57(0.25,-4.45) 58(0.75,-4.45) 59(1.25,-4.45) 60(1.75,-4.45) 61(2.25,-4.45) 62(2.75,-4.45) 63(3.25,-4.45) 64(3.75,-4.45)
  rect 7.25x7.25 smd mask+0.05: 65(0,0)
  silkscreen extent -4.5,-4.5 5.57,4.5, body extent -4.5,-4.5 4.5,4.5, height 0.8